# KiCad board -Z.kicad_pcb (continued)
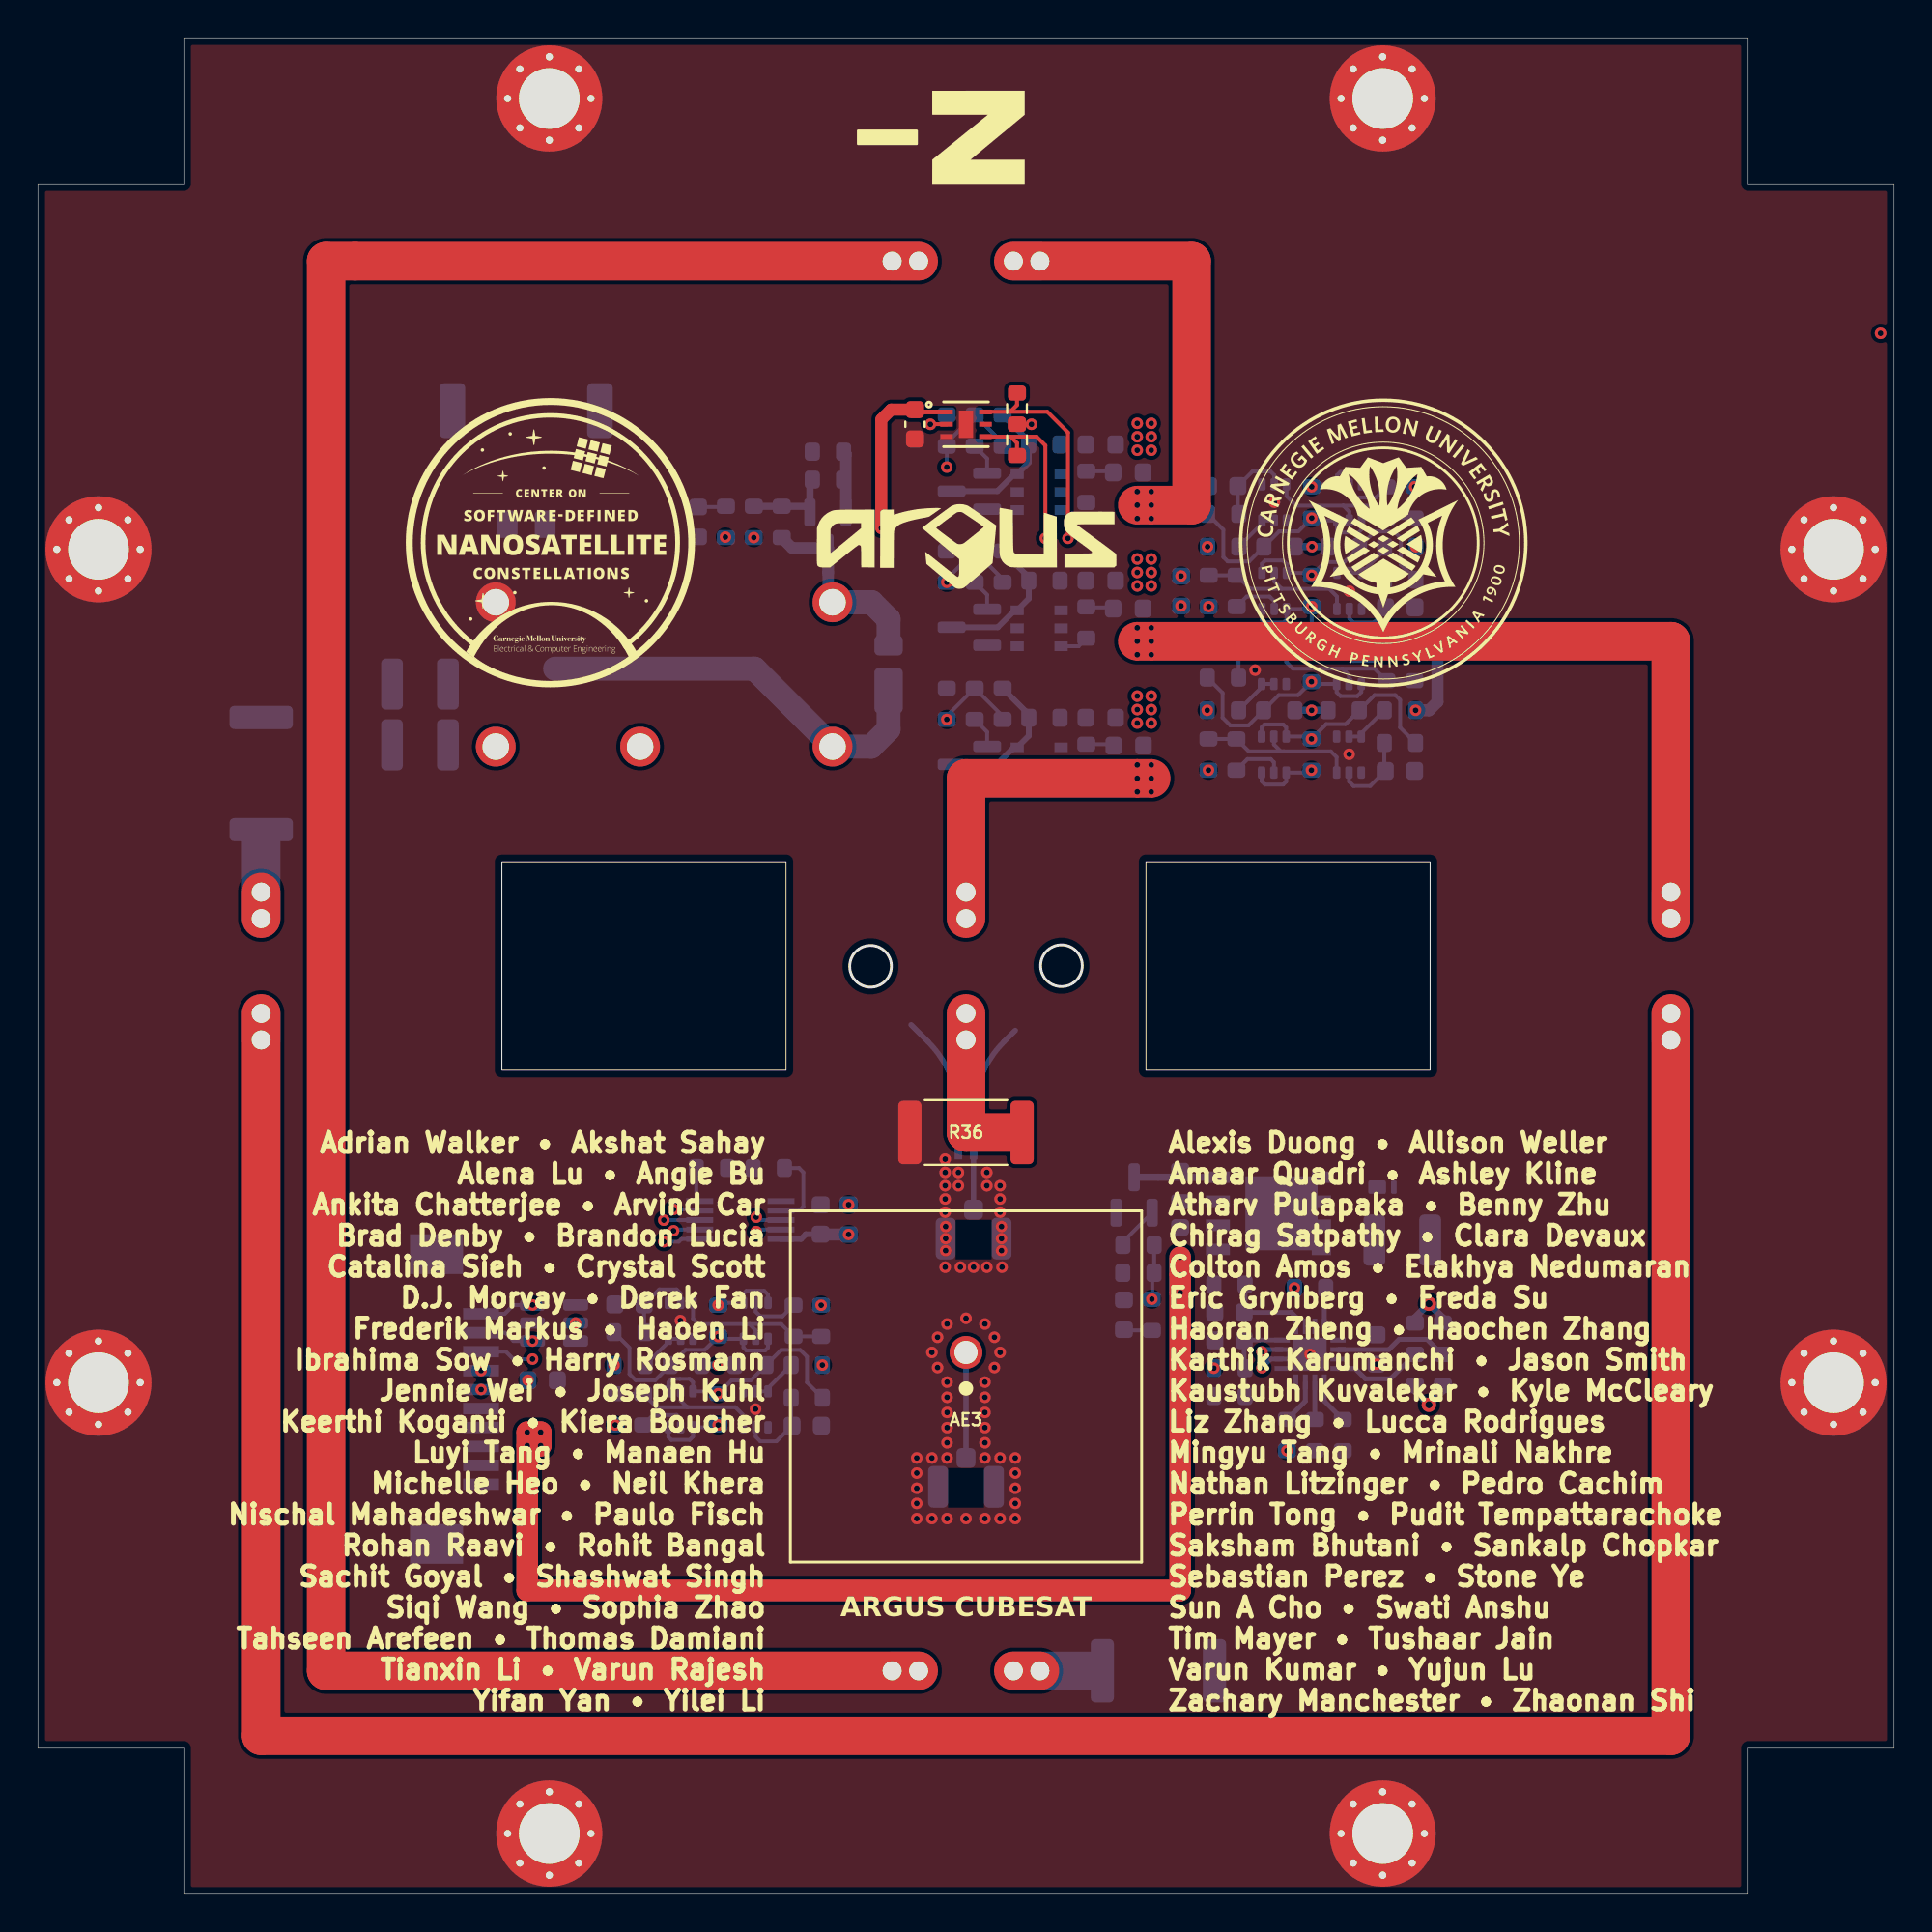
[diagram p0: board, top side]
## Routing (per net, layer and track width the routed paths; a pad name or vN(x,y) marks a point on that pad's centre or on a via; arc(x,y) is an arc through that point) (continued)
BURN_EN3: length 86.5
  In3.Cu w0.203: v1(33.04,35.58) 32.06,35.58 29.7,37.95 23.07,37.95 21.01,40.01 21.01,57.61 22.08,58.68 26.37,58.68 28.48,60.79 28.48,65.79 30,67.31 35.82,67.31 37.09,68.58 37.09,72.65 37.47,73.03 38.33,73.03 38.69,72.67 38.69,64.6 39.35,63.94 47.09,63.94 47.98,63.05 v1(47.98,62.02)
  Bottom w0.203: U4.3 33.05,35.59 v1(33.04,35.58) ; R31.2 50.93,62.19 R32.2 47.98,62.19 v1(47.98,62.02)
BURN_RELAY_A: length 59.1
  In3.Cu w0.203: v1(33.56,36.15) 32.36,36.15 29.98,38.54 23.47,38.54 21.59,40.41 21.59,57.32 22.36,58.09 26.75,58.09 29.06,60.4 29.06,65.51 30.28,66.73 36.27,66.73 37.8,68.25 v1(37.8,71.62)
  Bottom w0.203: U4.4 34.88,36.15 v1(33.56,36.15)
COIL_DRIVER_EN: length 48.4
  In3.Cu w0.203: v1(58.81,31.41) 58.81,31.38 58.81,31.38 58.8,31.38 58.51,31.09 43.84,31.09 43.11,30.36 43.11,24.69 41.99,23.57 30.05,23.57 28.93,24.69 28.93,27.23 27.92,28.25 v1(26.11,28.25)
  Bottom w0.203: 58.83,32.7 58.83,31.44 58.84,31.44 58.84,31.44 v1(58.81,31.41) ; v1(26.11,28.25) 25.1,28.25 24.71,28.64 J1.8 ; 58.93,32.8 R39.1
COIL_N: length 4.8
  Bottom w0.254: U3.8 69.54,27.75 70.09,27.21 71.41,27.21 R47.1
COIL_P: length 6.1
  Bottom w0.254: U3.6 71.33,28.75 71.86,29.29 73.34,29.29 74.12,28.5 R46.2
SCL: length 109.4
  In3.Cu w0.203: v1(35.92,31.09) 39.25,31.09 40.62,32.46 57.67,32.46 58.25,33.05 58.25,34.68 59.46,35.89 61.55,35.89 64.19,38.54 74.65,38.54 76.15,40.03 76.15,57.41 75.52,58.04 72.6,58.04 71.89,58.75 66.93,58.75 65.59,60.1 65.59,66.96 66.09,67.47 66.74,67.47 v1(67.25,67.98) 67.27,67.96 ; v1(26.11,31.1) 35.87,31.1
  Bottom w0.203: Q14.3 69.87,66.27 69.69,66.45 68.77,66.45 68.57,66.25 Q14.1 67.36,65.79 R57.2 ; 67.25,65.62 v1(67.25,67.98) 67.13,67.85 Q3.1 65.92,67.29 65.76,67.14 64.77,67.14 64.62,67.29 64.62,67.85 ; 35.92,31.1 v1(35.92,31.09) 36.04,31.22 Q18.1 37.25,31.7 37.41,31.85 38.35,31.85 38.55,31.65 Q18.3 ; v1(26.11,31.1) 25.11,31.1 24.65,30.64 J1.10
SCL_IO: length 20.7
  In2.Cu w0.203: v1(35.93,29.43) 37.04,30.54 37.04,35.13 37.65,35.74 v1(37.93,35.74)
  Bottom w0.203: v1(37.93,35.74) 38.08,35.59 U4.8 ; R70.1 31.23,28.84 31.23,27.46 31.56,27.13 32.59,27.13 R67.2 34.2,28.74 35.21,28.74 R71.1 v1(35.93,29.43) 36.04,29.32 Q18.6 37.25,28.86 37.41,28.7 38.4,28.7 38.55,28.86 Q18.4
SCL_M: length 69.5
  In3.Cu w0.203: v1(64.63,28.63) 64.02,28.63 63.55,29.1 63.55,34.83 65.26,36.53 75.47,36.53 78.16,39.22 78.16,58.32 76.51,59.97 73.43,59.97 71.76,61.65 69.55,61.65 68.76,62.44 68.76,63.4 68.15,64.01 v1(67.24,64.01)
  Bottom w0.203: R56.1 62.55,63.42 62.55,62.11 62.96,61.7 63.91,61.7 R53.2 65.51,63.3 66.53,63.3 v1(67.24,64.01) 67.36,63.89 Q14.6 68.57,63.46 68.77,63.25 69.66,63.25 69.87,63.46 Q14.4
  Bottom w0.254: v1(64.63,28.63) 64.75,28.75 U3.15
SDA: length 124.1
  In3.Cu w0.203: 35.91,24.74 35.88,24.77 33.2,24.77 32.26,25.71 32.26,28.3 31.36,29.2 v1(26.11,29.2) ; v1(35.92,24.77) 41.71,24.77 42.24,25.3 42.24,30.61 43.41,31.78 57.92,31.78 58.94,32.8 58.94,34.44 59.71,35.21 61.85,35.21 64.49,37.85 74.91,37.85 76.79,39.73 76.79,57.69 75.82,58.65 72.85,58.65 72.16,59.34 v1(67.24,59.34) 66.2,60.38 66.2,66.6 66.4,66.81 67.67,66.81 68.2,67.34 68.2,73.35 v1(67.25,74.3)
  Bottom w0.203: Q1.3 69.88,74.9 69.7,75.09 68.76,75.09 68.58,74.91 Q1.1 67.38,74.43 v1(67.25,74.3) ; Q20.3 33.29,24.14 33.44,23.98 34.41,23.98 34.59,24.16 Q20.1 35.79,24.64 v1(35.92,24.77) ; v1(26.11,29.2) 25.11,29.2 24.67,29.64 J1.9 ; v1(67.24,59.34) 67.11,59.21 Q16.1 65.91,58.74 65.75,58.58 64.78,58.58 64.61,58.76 Q16.3
SDA_IO: length 22.8
  In2.Cu w0.203: v1(35.92,26.42) 37.62,28.12 37.62,34.67 v1(37.93,34.98)
  Bottom w0.203: Q20.4 33.29,27.02 33.47,27.2 33.9,27.2 33.9,27.2 34.41,27.2 34.59,27.03 Q20.6 35.79,26.54 v1(35.92,26.42) 36.62,27.12 37.64,27.12 R73.2 39.24,28.73 40.25,28.73 40.61,28.37 40.61,27.01 R76.1 ; U4.9 38.04,35.09 v1(37.93,34.98)
SDA_M: length 68.3
  In3.Cu w0.203: v1(67.24,60.99) 71.45,60.99 73.13,59.31 76.15,59.31 77.45,58.02 77.45,39.47 75.16,37.19 64.88,37.19 62.84,35.16 62.84,28.81 63.86,27.79 v1(64.63,27.79)
  Bottom w0.203: Q16.4 64.61,61.6 64.76,61.75 65.75,61.75 65.91,61.6 Q16.6 67.11,61.11 v1(67.24,60.99) 68.02,61.77 69.03,61.77 R59.2 70.57,63.3 71.67,63.3 71.92,63.05 71.92,61.59 R62.1
  Bottom w0.254: U3.14 65.09,28.25 v1(64.63,27.79)
Net-(AE1-Pad1): length 5.2
  Bottom w0.286: 51.6,45.6 51.02,45.02 arc(49.82,43.23) BA1.4
Net-(AE2-Pad1): length 5.6
  Bottom w0.286: 46.1,45.9 46.98,45.02 arc(48.18,43.23) BA1.3
Net-(D1-A): length 11.2
  Bottom w0.381: 41.72,68.43 U2.A2
  Bottom w0.61: 41.72,69.75 41.72,68.43 ; 41.72,69.75 41.72,71.09 ; 41.72,69.75 41.72,71.06 Q5.3 39.82,71.07 R16.2
  Bottom w1.27: U2.A2 44.02,68.2 44.91,67.31 44.91,66.4
Net-(D2-A): length 1.5
  Bottom w0.203: D2.2 36.29,73.23 R78.2
Net-(D3-A): length 1.4
  Bottom w0.203: R23.2 56.71,75.12 D3.2
Net-(D4-A): length 1.5
  Bottom w0.203: 56.77,67.85 56.68,67.94 55.35,67.94
Net-(D5-A): length 1.5
  Bottom w0.203: R35.2 56.72,60.71 D5.2
Net-(D6-A): length 1.4
  Bottom w0.203: 58.83,29.76 57.4,29.76
Net-(J3-In): length 2.9
  Bottom w0.286: 49.4,36.24 BA1.1
Net-(JP1-B): length 139.8
  Top w2.032: JP1.2 15.22,86.21 15.22,11.79 JP2.1
  Bottom w2.032: JP2.1 JP2.1 ; JP1.2 JP1.2
Net-(JP2-B): length 5.7
  Top w2.032: JP2.2 JP2.2
  Bottom w2.032: JP2.2 55.78,11.79
Net-(JP3-B): length 153.5
  Top w2.032: JP3.2 86.21,8.36 11.79,8.36 JP4.1
  Bottom w2.032: JP4.1 JP4.1 ; JP3.2 JP3.2
Net-(JP4-B): length 5.6
  Top w2.032: JP4.2 JP4.2
  Bottom w2.032: JP4.2 11.79,55.73
Net-(JP5-B): length 8.7
  Top w2.032: JP5.2 49,40.21 51.4,40.21
Net-(Q1A-B1): length 2.8
  Bottom w0.203: Q1.2 69.23,73.98 69.47,73.74 70.65,73.74 R5.1
Net-(Q1B-B2): length 8.8
  Bottom w0.203: R3.2 R5.2 70.56,73.31 68.91,73.31 ; 68.91,73.31 66.42,73.31 65.92,73.81 65.92,74.43 ; 68.91,73.31 69.23,72.99 Q1.5
Net-(Q2A-G2): length 2.5
  Bottom w0.203: Q2.2 64.62,72.53 64.62,72.36 R6.2
Net-(Q2B-G1): length 4.3
  Bottom w0.203: R7.2 63.35,72.92 C2.1 64.13,75.11 65.08,75.11 65.27,74.92 Q2.5
Net-(Q3A-B1): length 2.7
  Bottom w0.203: R11.1 63.82,68.51 65.03,68.51 65.27,68.26 Q3.2
Net-(Q3B-B2): length 8.9
  Bottom w0.203: Q3.5 65.27,69.31 65.66,68.91 ; 65.66,68.91 68.18,68.91 68.58,68.51 Q4.6 ; 65.66,68.91 64,68.91 R11.2 R9.2
Net-(Q4A-G2): length 2.5
  Bottom w0.203: R12.2 71.1,70.97 Q4.3 Q4.2
Net-(Q4B-G1): length 4.4
  Bottom w0.203: R13.2 71.1,67.99 C3.1 71.15,67.75 70.54,67.14 69.45,67.14 69.23,67.35 Q4.5
Net-(Q5-B): length 4.8
  Bottom w0.381: 40.76,73.31 40.72,73.27 R15.2 ; Q5.1 40.76,74.55 R17.1
Net-(Q5-E): length 3.3
  Bottom w0.61: Q5.2 42.66,76.03 R18.1
Net-(Q6-D): length 7.8
  Bottom w0.305: R19.1 52.32,76.71 R22.1 52.32,75.58 51.7,74.97 51.55,74.97 50.65,74.07 Q6.3
Net-(Q6-G): length 1.7
  Bottom w0.203: Q6.1 50.12,75.79 R20.1
Net-(Q8-D): length 7.8
  Bottom w0.305: Q8.3 50.68,66.88 51.58,67.78 Q9.3 52.32,68.4 R28.1 52.32,69.52 R25.1
Net-(Q8-G): length 1.7
  Bottom w0.203: 49.46,69.26 50.12,68.6 Q8.1
Net-(Q10-D): length 7.8
  Bottom w0.305: Q10.3 50.63,59.64 51.52,60.54 Q11.3 52.32,61.16 R34.1 52.32,62.28 R31.1
Net-(Q10-G): length 1.7
  Bottom w0.203: Q10.1 50.12,61.36 R32.1
Net-(Q12-D): length 5.4
  Bottom w0.381: 61.13,37.85 60.67,37.85 R40.1 ; 61.13,37.85 62.31,37.85 ; 61.13,37.85 Q12.3
Net-(Q12-G): length 2.2
  Bottom w0.203: Q12.1 57.28,34.43
Net-(Q14A-B1): length 2.8
  Bottom w0.203: R54.1 70.59,65.11 69.43,65.11 69.22,65.32 Q14.2
Net-(Q14B-B2): length 8.9
  Bottom w0.203: 68.87,64.7 66.26,64.7 65.91,65.05 Q15.6 ; 68.87,64.7 70.56,64.7 R54.2 R52.2 ; 68.87,64.7 69.22,64.36 Q14.5
Net-(Q15A-G2): length 2.5
  Bottom w0.203: R55.2 64.61,63.72 Q15.3 Q15.2
Net-(Q15B-G1): length 4.3
  Bottom w0.203: Q15.5 65.26,66.23 65.06,66.43 64.02,66.43 63.34,65.74 63.34,65.7 63.39,65.65 R56.2
Net-(Q16A-B1): length 2.8
  Bottom w0.203: R60.1 63.86,59.92 65.09,59.92 65.26,59.76 Q16.2
Net-(Q16B-B2): length 9.1
  Bottom w0.203: 65.8,60.33 63.93,60.33 R60.2 R58.2 ; 65.8,60.33 68.26,60.33 68.57,60.03 Q17.6 ; 65.8,60.33 65.62,60.33 65.26,60.7 Q16.5
Net-(Q17A-G2): length 2.5
  Bottom w0.203: Q17.2 Q17.3 69.87,61.28 R61.2
Net-(Q17B-G1): length 4.3
  Bottom w0.203: Q17.5 69.22,58.74 69.46,58.5 70.34,58.5 C7.1 71.09,59.35 R62.2
Net-(Q18A-B1): length 2.8
  Bottom w0.203: R68.1 39.31,30.51 38.14,30.51 37.9,30.75 Q18.2
Net-(Q18B-B2): length 8.9
  Bottom w0.203: 37.58,30.1 37.58,30.08 37.9,29.76 Q18.5 ; 37.58,30.1 34.87,30.1 34.59,30.38 Q19.6 ; 37.58,30.1 39.24,30.1 R68.2 R66.2
Net-(Q19A-G2): length 2.5
  Bottom w0.203: Q19.2 Q19.3 33.29,29.15 R69.2
Net-(Q19B-G1): length 4.3
  Bottom w0.203: R70.2 32.01,29.72 C11.1 32.81,31.93 33.72,31.93 33.94,31.72 Q19.5
Net-(Q20A-B1): length 2.7
  Bottom w0.203: R74.1 32.49,25.3 33.72,25.3 33.94,25.09 Q20.2
Net-(Q20B-B2): length 8.9
  Bottom w0.203: 34.33,25.71 32.67,25.71 R74.2 R72.2 ; 34.33,25.71 36.82,25.71 37.25,25.28 Q21.6 ; 34.33,25.71 34.28,25.71 33.94,26.05 Q20.5
Net-(Q21A-G2): length 2.5
  Bottom w0.203: R75.2 38.55,26.71 Q21.3 Q21.2
Net-(Q21B-G1): length 4.4
  Bottom w0.203: Q21.5 37.9,24.15 38.14,23.9 38.99,23.9 C12.1 39.77,24.78 R76.2
Net-(U3-NFAULT): length 2
  Bottom w0.254: U3.4 67.92,31.93
Net-(U3-NSLEEP): length 2.4
  Bottom w0.254: R42.1 66.92,26.03 66.92,27.03

## Copper pours and planes (outline as drawn; the poured copper is in the pictures)
3V3_P on In2.Cu: -0.33,7.27 7.29,7.27 7.29,-0.35 90.5,-0.35 90.5,7.27 98.38,7.27 98.38,90.48 90.5,90.48 90.5,98.35 7.29,98.35 7.29,90.48 -0.33,90.48
GND on Top, Bottom, In1.Cu, In4.Cu: -0.25,7.34 7.37,7.34 7.37,-0.28 90.43,-0.28 90.43,7.34 98.3,7.34 98.3,90.4 90.43,90.4 90.43,98.28 7.37,98.28 7.37,90.4 -0.25,90.4
VBATT on Bottom: 28.43,64.06 28.43,73.28 25.63,73.28 25.63,66.86 20.17,66.86 20.17,59.16 25.66,59.16 25.66,62.16 22.89,62.16 22.89,64.06
VBATT_M on Bottom: 22.43,23.96 22.43,21.31 27.08,21.31 27.08,24.84 25.33,24.84 25.33,23.96
/Burn Wires/VBURN1 on Bottom: 51.21,74.43 51.21,72.24 59.16,72.24 59.16,74.43
/Burn Wires/VBURN2 on Bottom: 51.21,67.24 51.21,65.05 59.16,65.05 59.16,67.24
/Burn Wires/VBURN3 on Bottom: 51.21,60 51.21,57.81 59.16,57.81 59.16,60
/Burn Wires/VBURN_A_IN on Bottom: 56.11,75.77 56.11,78.11 59.16,78.11 59.16,75.77
/Burn Wires/VBURN_A_IN on Bottom: 56.11,61.34 56.11,63.68 59.16,63.68 59.16,61.34
/Burn Wires/VBURN_A_IN on Bottom: 56.11,68.58 56.11,70.92 59.16,70.92 59.16,68.58
/Coil Driver/VM on Bottom: 68.23,29.09 71.17,29.09 71.17,38.18 63.76,38.18 63.76,33.71 68.66,33.71 68.66,30.74 68.23,30.74
/GPIO Expander/GE_3V3 on In2.Cu: 29.66,32.21 29.66,23.95 42.16,23.95 42.16,32.21
/Light Sensor/LS_3V3 on In2.Cu: 61.09,67.16 59.87,67.16 59.87,68.79 61.09,68.79
/Light Sensor/LS_3V3 on In2.Cu: 60.99,75.42 60.99,67.16 73.49,67.16 73.49,75.42
Net-(AE1-Pad1) on Bottom: 56.7,52.7 51.3,52.7 51.3,45.3 56.7,45.3
Net-(AE2-Pad1) on Bottom: 46.7,52.7 41.3,52.7 41.3,45.3 46.7,45.3
Net-(F5-Pad1) on Bottom: 62.93,33.58 62.93,37.39 59.68,37.39 59.68,34.22 60.93,34.22 60.93,33.58
Net-(Q7-S) on Bottom: 56.11,75.77 54.61,75.77 54.61,74.55 52.99,74.55 52.99,78.11 56.11,78.11
Net-(Q9-S) on Bottom: 56.11,68.58 54.61,68.58 54.61,67.36 52.99,67.36 52.99,70.92 56.11,70.92
Net-(Q11-S) on Bottom: 56.11,61.34 54.61,61.34 54.61,60.13 52.99,60.13 52.99,63.68 56.11,63.68

## Text on the board
B.Silkscreen: SCL | SDA | CDR_EN | 3V3_P | GND | VCHRG | GPIO EXPANDER / I2C BUS PROTECTION | LIGHT SENSOR / I2C BUS PROTECTION | COIL DRIVER / I2C BUS PROTECTION | N | P | TO MAINBOARD | COIL | BATT | OUT | ⊙ | ⊗ | ARGUS Cubesat / Carnegie Mellon University / -Z Solar Panel v5.0 | ARGUS CUBESAT
F.Silkscreen: ARGUS CUBESAT | Alexis Duong • Allison Weller / Amaar Quadri • Ashley Kline / Atharv Pulapaka • Benny Zhu / Chirag Satpathy • Clara Devaux / Colton Amos • Elakhya Nedumaran / Eric Grynberg • Freda Su / Haoran Zheng • Haochen Zhang / Karthik Karumanchi • Jason Smith / Kaustubh Kuvalekar • Kyle McCleary / Liz Zhang • Lucca Rodrigues / Mingyu Tang • Mrinali Nakhre / Nathan Litzinger • Pedro Cachim / Perrin Tong • Pudit Tempattarachoke / Saksham Bhutani • Sankalp Chopkar / Sebastian Perez • Stone Ye / Sun A Cho • Swati Anshu / Tim Mayer • Tushaar Jain / Varun Kumar • Yujun Lu / Zachary Manchester • Zhaonan Shi | Adrian Walker • Akshat Sahay • Alena Lu / Alexis Duong • Allison Weller • Amaar Quadri / Angie Bu • Ankita Chatterjee • Arvind Car / Ashley Kline • Atharv Pulapaka • Benny Zhu / Brad Denby • Brandon Lucia • Catalina Sieh / Chirag Satpathy • Clara Devaux • Colton Amos / Crystal Scott • D.J. Morvay • Derek Fan / Elakhya Nedumaran • Eric Grynberg • Freda Su / Frederik Markus • Guanyi Xu • Haochen Zhang / Haoen Li • Haoran Zheng • Harry Rosmann / Ibrahima Sow • Jason Smith • Joseph Kuhl / Karthik Karumanchi • Kaustubh Kuvalekar / Keerthi Koganti • Kiera Boucher / Kyle McCleary • Liz Zhang • Lucca Rodrigues / Luyi Tang • Manaen Hu • Michelle Heo / Mingyu Tang • Mrinali Nakhre • Nathan Litzinger / Neil Khera • Nischal Mahadeshwar • Paulo Fisch / Pedro Cachim • Perrin Tong • Pudit Tempattarachoke / Rohan Raavi • Rohit Bangal • Sachit Goyal / Saksham Bhutani • Sankalp Chopkar • Sebastian Perez / Shashwat Singh • Siqi Wang • Sophia Zhao / Stone Ye • Sun A Cho • Swati Anshu / Tahseen Arefeen • Thomas Damiani • Tianxin Li / Tim Mayer • Tushaar Jain • Varun Kumar / Varun Rajesh • Yifan Yan • Yilei Li / Yujun Lu • Zachary Manchester • Zhaonan Shi | Adrian Walker • Akshat Sahay / Alena Lu • Angie Bu / Ankita Chatterjee • Arvind Car / Brad Denby • Brandon Lucia / Catalina Sieh • Crystal Scott / D.J. Morvay • Derek Fan / Frederik Markus • Haoen Li / Ibrahima Sow • Harry Rosmann / Jennie Wei • Joseph Kuhl / Keerthi Koganti • Kiera Boucher / Luyi Tang • Manaen Hu / Michelle Heo • Neil Khera / Nischal Mahadeshwar • Paulo Fisch / Rohan Raavi • Rohit Bangal / Sachit Goyal • Shashwat Singh / Siqi Wang • Sophia Zhao / Tahseen Arefeen • Thomas Damiani / Tianxin Li • Varun Rajesh / Yifan Yan • Yilei Li | Adrian Walker • Akshat Sahay | Alena Lu • Alexis Duong | Paulo Fisch • Perrin Tong | Rohan Raavi • Rohit Bangal | Ibrahima Sow | Mingyu Tang • Mrinali Nakhre | Nischal Mahadeshwar | Catalina Sieh • Chirag Satpathy | Haochen Zhang • Haoen Li | Eric Grynberg • Freda Su | Crystal Scott • D.J. Morvay | Jason Smith | Allison Weller • Amaar Quadri • Angie Bu • Ankita Chatterjee • Arvind Car | Ashley Kline • Atharv Pulapaka • Benny Zhu • Brad Denby • Brandon Lucia | Kaustubh Kuvalekar • Keerthi Koganti • Kiera Boucher • Kyle McCleary | Liz Zhang • Lucca Rodrigues • Luyi Tang • Manaen Hu • Michelle Heo | Frederik Markus • Guanyi Xu | Clara Devaux • Colton Amos | Haoran Zheng • Harry Rosmann | Joseph Kuhl • Karthik Karumanchi | Derek Fan • Elakhya Nedumaran | Nathan Litzinger • Neil Khera | Pudit Tempattarachoke | Sachit Goyal
